# Altium PCB Remote.PcbDoc
Units mm, origin at the board's own origin, x right, y up, seen from the top; angles counter-clockwise.
Board outline 100 x 100 mm, 2 copper layers (Top Layer, Bottom Layer); 129 components, 75 nets, 386 pads, 218 vias.
Unrouted connection lines stored in the file: 69.
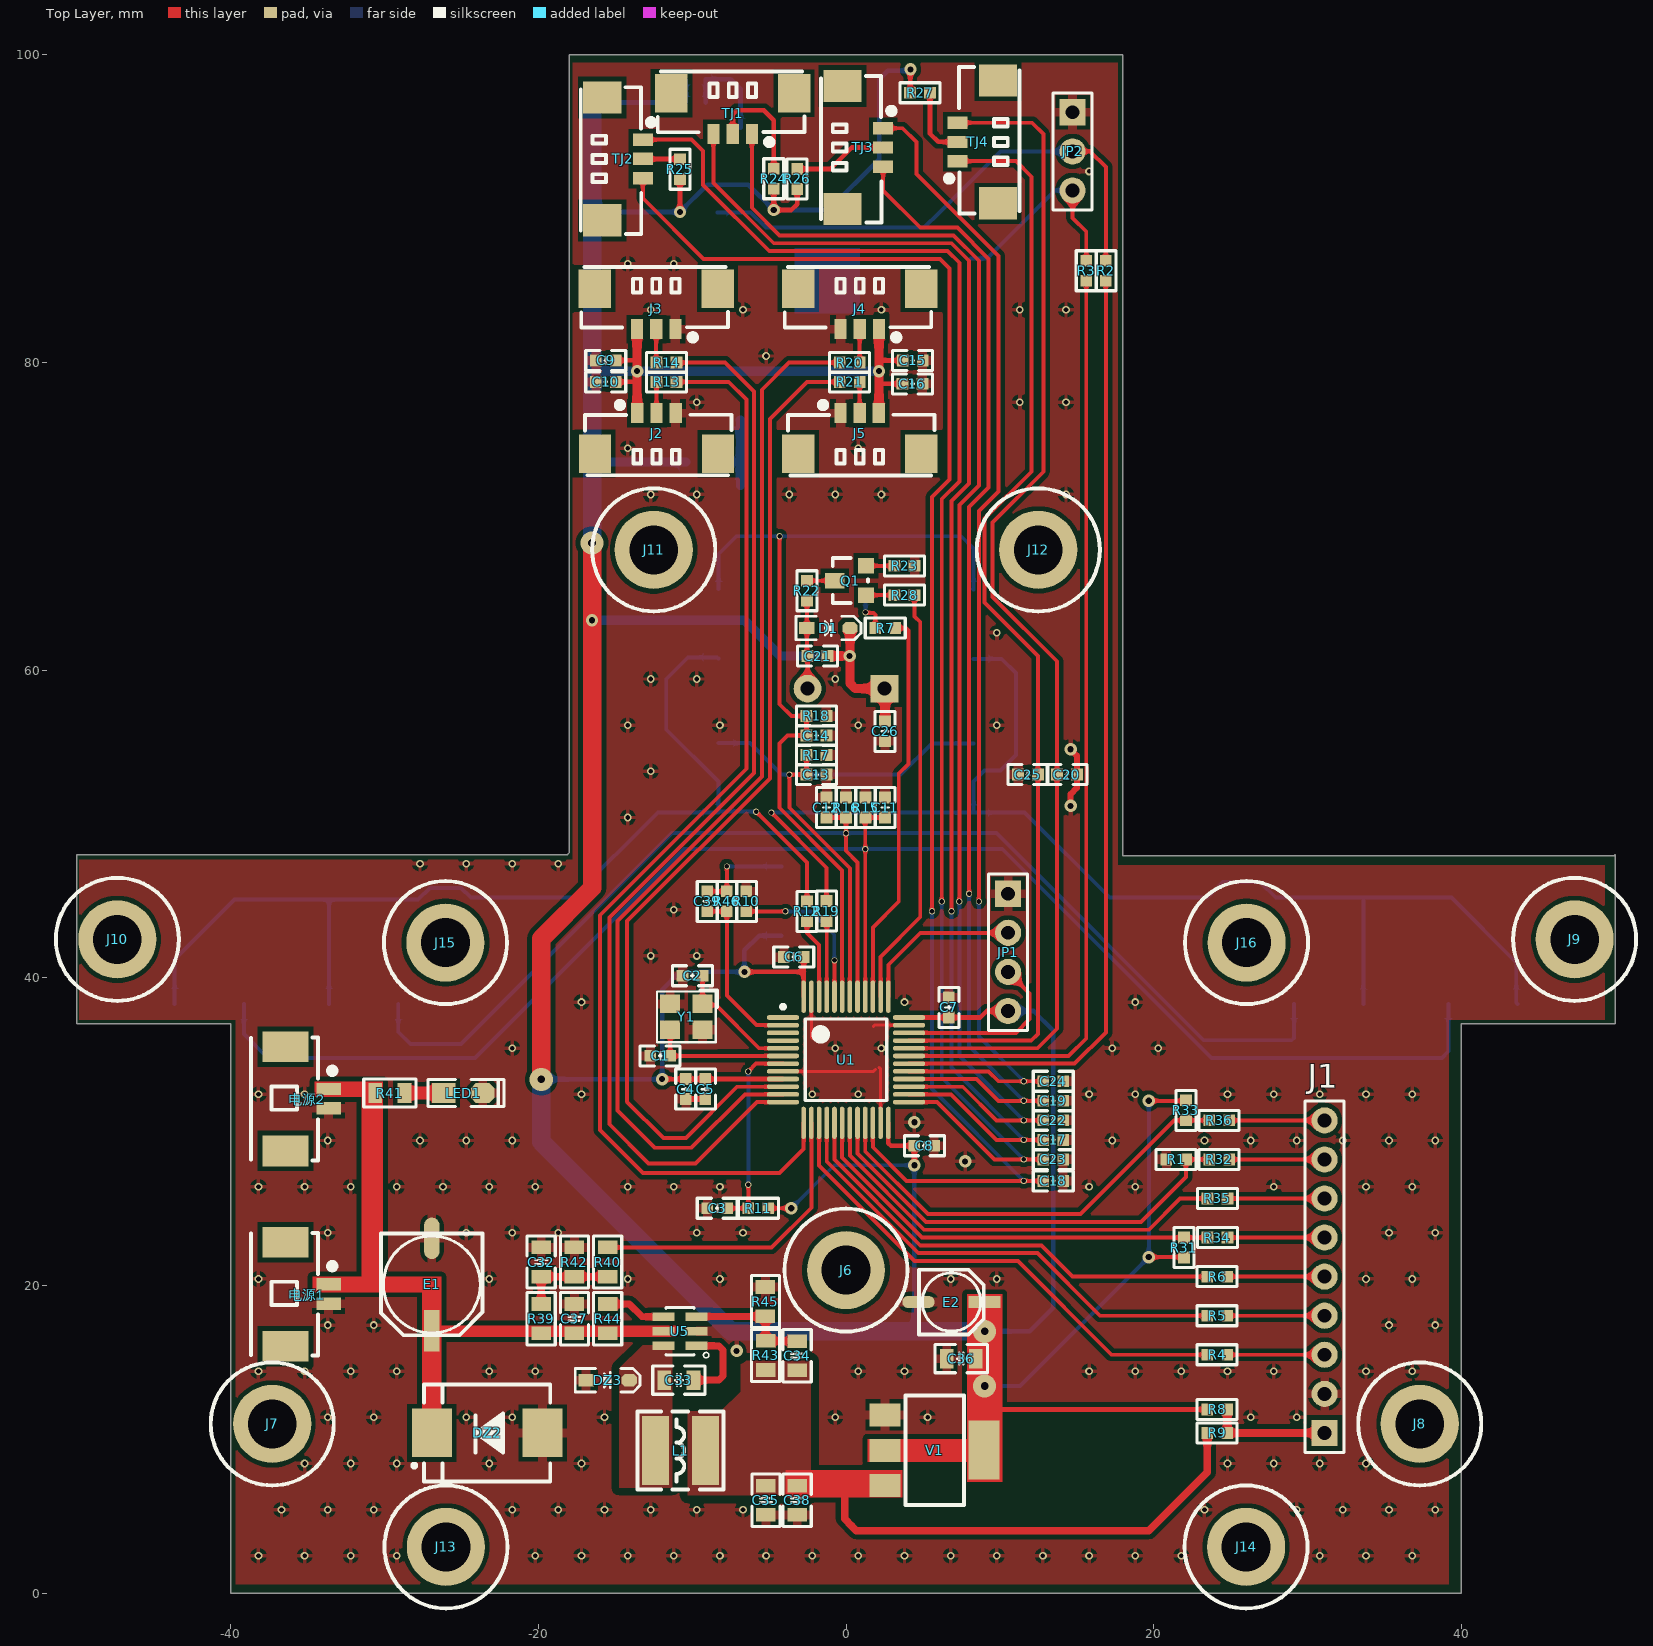
[diagram p0: Top Layer view]
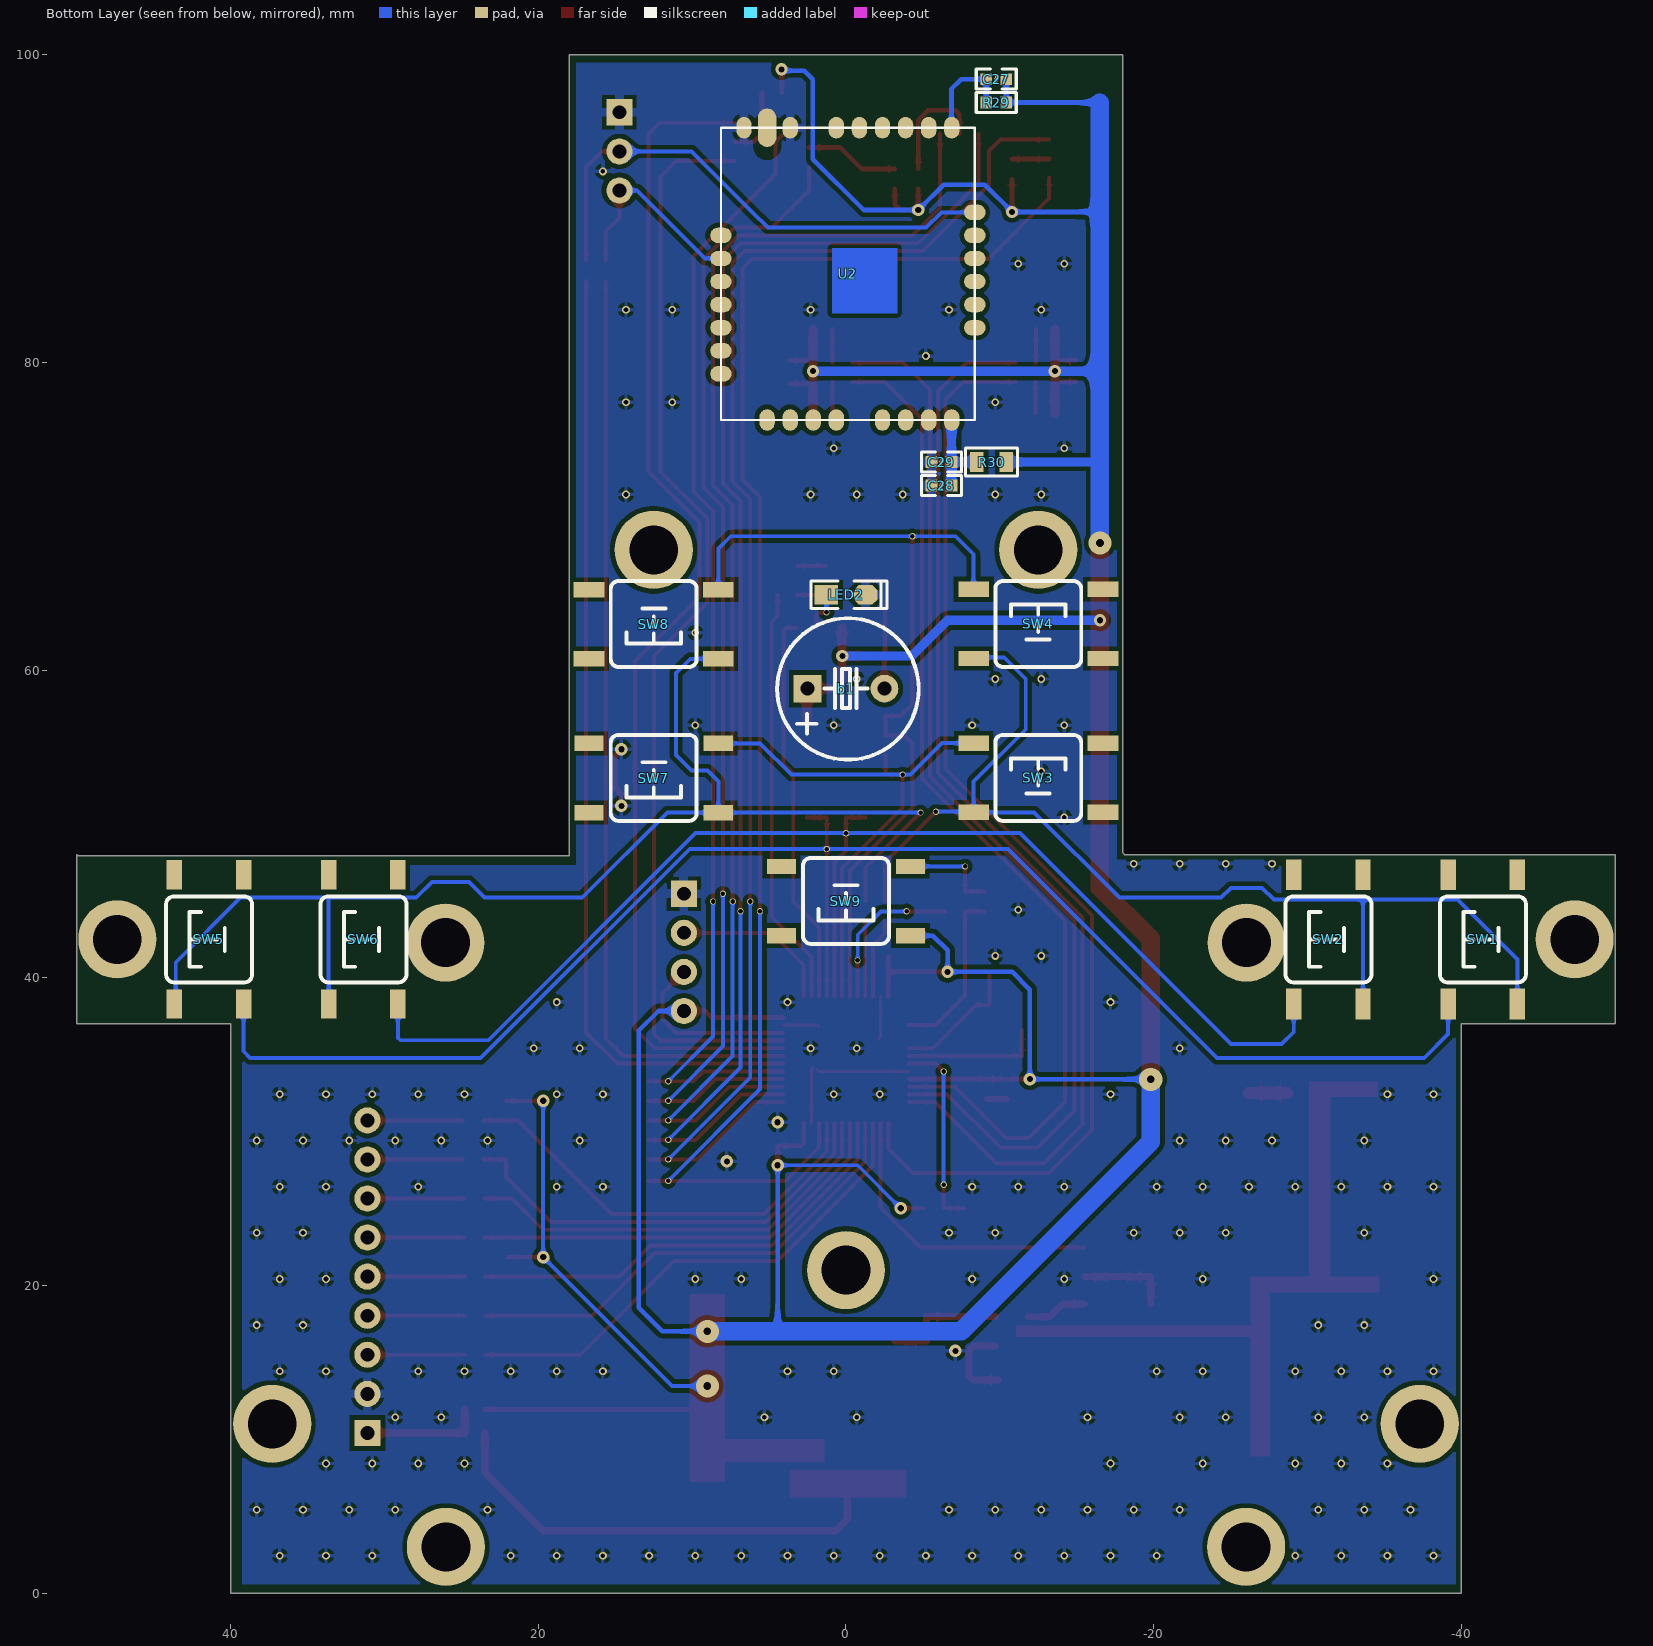
[diagram p1: Bottom Layer view, seen from below]

## Layer stack, top to bottom
Top Solder: solder mask 0.0102, Solder Resist, Dk 3.5
Top Layer: signal copper 0.0356
Dielectric 1: dielectric 0.32, FR-4, Dk 4.8
Bottom Layer: signal copper 0.0356
Bottom Solder: solder mask 0.0102, Solder Resist, Dk 3.5

## Board outline
-40,0 -40,37 -50,37 -50,48 -18.121,48 -18,48.121 -18,100 18,100 18,47.926 49.926,47.926 50,48 50,37 40,37 40,0

## Design rules (kind name [scope] priority, off if disabled: settings)
Clearance Clearance_31 [InNamedPolygon('NETC33_1_L01_P000')] p1: gap=0.5 ignorepadtopadclearanceinfootprint=FALSE
Clearance Clearance_30 [InNamedPolygon('5V_L01_P001')] p2: gap=0.5 ignorepadtopadclearanceinfootprint=FALSE
Clearance Clearance_29 [InNamedPolygon('tg')] p3: gap=0.3 ignorepadtopadclearanceinfootprint=FALSE
Clearance Clearance_28 [InNamedPolygon('tg')] p4: gap=0.3 ignorepadtopadclearanceinfootprint=FALSE
Clearance Clearance_27 [InNamedPolygon('tg')] p5: gap=0.4 ignorepadtopadclearanceinfootprint=FALSE
Clearance Clearance_26 [InNamedPolygon('tg')] p6: gap=0.254 ignorepadtopadclearanceinfootprint=FALSE
Clearance Clearance_25 [InNamedPolygon('tg')] p7: gap=0.3 ignorepadtopadclearanceinfootprint=FALSE
Clearance Clearance_24 [InNamedPolygon('tg')] p8: gap=0.5 ignorepadtopadclearanceinfootprint=FALSE
Clearance Clearance_23 [InNamedPolygon('tg')] p9: gap=0.3 ignorepadtopadclearanceinfootprint=FALSE
Clearance Clearance_22 [InNamedPolygon('tg')] p10: gap=0.4 ignorepadtopadclearanceinfootprint=FALSE
Clearance Clearance_21 [InNamedPolygon('GND_L02_P007')] p11: gap=0.5 ignorepadtopadclearanceinfootprint=FALSE
Clearance Clearance_20 [InNamedPolygon('GND_L01_P006')] p12: gap=0.5 ignorepadtopadclearanceinfootprint=FALSE
Clearance Clearance_19 [InNamedPolygon('GND_L01_P006')] p13: gap=0.8 ignorepadtopadclearanceinfootprint=FALSE
Clearance Clearance_18 [InNamedPolygon('GND_L01_P006')] p14: gap=0.5 ignorepadtopadclearanceinfootprint=FALSE
Clearance Clearance_17 [InNamedPolygon('GND_L01_P006')] p15: gap=0.3 ignorepadtopadclearanceinfootprint=FALSE
Clearance Clearance_16 [InNamedPolygon('GND_L01_P005')] p16: gap=0.27 ignorepadtopadclearanceinfootprint=FALSE
Clearance Clearance_15 [InNamedPolygon('GND_L01_P005')] p17: gap=0.26 ignorepadtopadclearanceinfootprint=FALSE
Clearance Clearance_14 [OnLayer('Mechanical 1')] p18: gap=5 ignorepadtopadclearanceinfootprint=FALSE
Clearance Clearance_13 [OnLayer('Keep-Out Layer')] p19: gap=5 ignorepadtopadclearanceinfootprint=FALSE
Clearance Clearance_12 [InNamedPolygon('GND_L01_P004')] p20: gap=0.26 ignorepadtopadclearanceinfootprint=FALSE
Clearance Clearance_11 [InNamedPolygon('GND_L01_P004')] p21: gap=0.3 ignorepadtopadclearanceinfootprint=FALSE
Clearance Clearance_10 [InNamedPolygon('3V3_ICM_L01_P002')] p22: gap=0.15 ignorepadtopadclearanceinfootprint=FALSE
Clearance Clearance_9 [InNamedPolygon('3V3_ICM_L01_P002')] p23: gap=0.2 ignorepadtopadclearanceinfootprint=FALSE
Clearance Clearance_8 [InNamedPolygon('GND_L01_P003')] p24: gap=0.3 ignorepadtopadclearanceinfootprint=FALSE
Clearance Clearance_7 [InNamedPolygon('GND_L01_P003')] p25: gap=0.254 ignorepadtopadclearanceinfootprint=FALSE
Clearance Clearance_6 [InNamedPolygon('GND_L01_P003')] p26: gap=0.2 ignorepadtopadclearanceinfootprint=FALSE
Clearance Clearance_5 [InNamedPolygon('3V3_ICM_L01_P002')] p27: gap=0.254 ignorepadtopadclearanceinfootprint=FALSE except(0: Arc-Hole Track-Hole SMDPad-Hole THPad-Hole Via-Hole Fill-Hole Poly-Hole Region-Hole Text-Hole)
Clearance Clearance_4 [InNamedPolygon('3V3_ICM_L01_P002')] p28: gap=0.2 ignorepadtopadclearanceinfootprint=FALSE
Clearance Clearance_3 [InNamedPolygon('3V3_ICM_L01_P002')] p29: gap=0.2 ignorepadtopadclearanceinfootprint=FALSE
Clearance Clearance_2 [InNamedPolygon('GND_L01_P003')] p30: gap=0.3 ignorepadtopadclearanceinfootprint=FALSE
Clearance Clearance_1 [InNamedPolygon('3V3_ICM_L01_P002')] p31: gap=0.2 ignorepadtopadclearanceinfootprint=FALSE
Clearance [All] p32: gap=0.1 ignorepadtopadclearanceinfootprint=FALSE
HoleSize [All] p1: absolutevalues=TRUE maxlimit=10 minlimit=0.025 maxpercent=80.000 minpercent=20.000
MinimumSolderMaskSliver [All] p1: minsoldermaskwidth=0.1
PlaneConnect [All] p1: planeconnectstyle=Direct reliefexpansion=0.508 reliefentries=4 reliefconductorwidth=0.254 reliefairgap=0.254
PolygonConnect PolygonConnect_21 [All vs IsNamedPolygon('tg')] p1: thpad.connectstyle=Relief thpad.reliefconductorwidth=0.6 thpad.reliefentries=4 thpad.polygonreliefangle="90 Angle" thpad.airgapwidth=0.254 smdpad.connectstyle=Relief smdpad.reliefconductorwidth=0.6 smdpad.reliefentries=4 smdpad.polygonreliefangle="90 Angle" smdpad.airgapwidth=0.254 via.connectstyle=Relief via.reliefconductorwidth=0.254 via.reliefentries=4 via.polygonreliefangle="90 Angle" via.airgapwidth=0.254
PolygonConnect PolygonConnect_20 [All vs IsNamedPolygon('tg')] p2: thpad.connectstyle=Relief thpad.reliefconductorwidth=0.8 thpad.reliefentries=4 thpad.polygonreliefangle="90 Angle" thpad.airgapwidth=0.254 smdpad.connectstyle=Relief smdpad.reliefconductorwidth=0.8 smdpad.reliefentries=4 smdpad.polygonreliefangle="90 Angle" smdpad.airgapwidth=0.254 via.connectstyle=Relief via.reliefconductorwidth=0.254 via.reliefentries=4 via.polygonreliefangle="90 Angle" via.airgapwidth=0.254
PolygonConnect PolygonConnect_19 [All vs IsNamedPolygon('5V_L01_P001')] p3: connectstyle=Direct reliefconductorwidth=0.254 reliefentries=4 polygonreliefangle="90 Angle" airgapwidth=0.254
PolygonConnect PolygonConnect_18 [All vs IsNamedPolygon('5V_L01_P001')] p4: connectstyle=Relief reliefconductorwidth=0.8 reliefentries=4 polygonreliefangle="90 Angle" airgapwidth=0.254
PolygonConnect PolygonConnect_17 [All vs IsNamedPolygon('tg')] p5: thpad.connectstyle=Relief thpad.reliefconductorwidth=0.6 thpad.reliefentries=4 thpad.polygonreliefangle="90 Angle" thpad.airgapwidth=0.254 smdpad.connectstyle=Relief smdpad.reliefconductorwidth=0.254 smdpad.reliefentries=4 smdpad.polygonreliefangle="90 Angle" smdpad.airgapwidth=0.254 via.connectstyle=Relief via.reliefconductorwidth=0.254 via.reliefentries=4 via.polygonreliefangle="90 Angle" via.airgapwidth=0.254
PolygonConnect PolygonConnect_16 [All vs IsNamedPolygon('tg')] p6: thpad.connectstyle=Relief thpad.reliefconductorwidth=0.4 thpad.reliefentries=4 thpad.polygonreliefangle="90 Angle" thpad.airgapwidth=0.254 smdpad.connectstyle=Relief smdpad.reliefconductorwidth=0.254 smdpad.reliefentries=4 smdpad.polygonreliefangle="90 Angle" smdpad.airgapwidth=0.254 via.connectstyle=Relief via.reliefconductorwidth=0.254 via.reliefentries=4 via.polygonreliefangle="90 Angle" via.airgapwidth=0.254
PolygonConnect PolygonConnect_15 [All vs IsNamedPolygon('5V_L01_P001')] p7: connectstyle=Direct reliefconductorwidth=0.254 reliefentries=4 polygonreliefangle="90 Angle" airgapwidth=0.254
PolygonConnect PolygonConnect_14 [All vs IsNamedPolygon('5V_L01_P001')] p8: thpad.connectstyle=Direct thpad.reliefconductorwidth=0.254 thpad.reliefentries=4 thpad.polygonreliefangle="90 Angle" thpad.airgapwidth=0.254 smdpad.connectstyle=Relief smdpad.reliefconductorwidth=0.254 smdpad.reliefentries=4 smdpad.polygonreliefangle="90 Angle" smdpad.airgapwidth=0.254 via.connectstyle=Relief via.reliefconductorwidth=0.254 via.reliefentries=4 via.polygonreliefangle="90 Angle" via.airgapwidth=0.254
PolygonConnect PolygonConnect_13 [All vs IsNamedPolygon('NETC33_1_L01_P000')] p9: connectstyle=Direct reliefconductorwidth=0.254 reliefentries=4 polygonreliefangle="90 Angle" airgapwidth=0.254
PolygonConnect PolygonConnect_12 [All vs IsNamedPolygon('NETC33_1_L01_P000')] p10: thpad.connectstyle=Direct thpad.reliefconductorwidth=0.254 thpad.reliefentries=4 thpad.polygonreliefangle="90 Angle" thpad.airgapwidth=0.254 smdpad.connectstyle=Relief smdpad.reliefconductorwidth=0.254 smdpad.reliefentries=4 smdpad.polygonreliefangle="90 Angle" smdpad.airgapwidth=0.254 via.connectstyle=Relief via.reliefconductorwidth=0.254 via.reliefentries=4 via.polygonreliefangle="90 Angle" via.airgapwidth=0.254
PolygonConnect PolygonConnect_11 [All vs IsNamedPolygon('NETC33_1_L01_P000')] p11: thpad.connectstyle=Direct thpad.reliefconductorwidth=0.254 thpad.reliefentries=4 thpad.polygonreliefangle="90 Angle" thpad.airgapwidth=0.254 smdpad.connectstyle=Relief smdpad.reliefconductorwidth=0.254 smdpad.reliefentries=4 smdpad.polygonreliefangle="90 Angle" smdpad.airgapwidth=0.254 via.connectstyle=Relief via.reliefconductorwidth=0.254 via.reliefentries=4 via.polygonreliefangle="90 Angle" via.airgapwidth=0.254
PolygonConnect PolygonConnect_10 [All vs IsNamedPolygon('NETC33_1_L01_P000')] p12: thpad.connectstyle=Direct thpad.reliefconductorwidth=0.254 thpad.reliefentries=4 thpad.polygonreliefangle="90 Angle" thpad.airgapwidth=0.254 smdpad.connectstyle=Relief smdpad.reliefconductorwidth=0.254 smdpad.reliefentries=4 smdpad.polygonreliefangle="90 Angle" smdpad.airgapwidth=0.254 via.connectstyle=Relief via.reliefconductorwidth=0.254 via.reliefentries=4 via.polygonreliefangle="90 Angle" via.airgapwidth=0.254
PolygonConnect PolygonConnect_9 [All vs IsNamedPolygon('GND_L02_P007')] p13: connectstyle=Direct reliefconductorwidth=0.254 reliefentries=4 polygonreliefangle="90 Angle" airgapwidth=0.254
PolygonConnect PolygonConnect_8 [All vs IsNamedPolygon('GND_L01_P006')] p14: connectstyle=Direct reliefconductorwidth=0.254 reliefentries=4 polygonreliefangle="90 Angle" airgapwidth=0.254
PolygonConnect PolygonConnect_7 [All vs IsNamedPolygon('GND_L01_P005')] p15: connectstyle=Direct reliefconductorwidth=0.254 reliefentries=4 polygonreliefangle="90 Angle" airgapwidth=0.254
PolygonConnect PolygonConnect_6 [All vs IsNamedPolygon('GND_L01_P004')] p16: connectstyle=Direct reliefconductorwidth=0.254 reliefentries=4 polygonreliefangle="90 Angle" airgapwidth=0.254
PolygonConnect PolygonConnect_5 [All vs IsNamedPolygon('GND_L01_P003')] p17: connectstyle=Direct reliefconductorwidth=0.254 reliefentries=4 polygonreliefangle="90 Angle" airgapwidth=0.254
PolygonConnect PolygonConnect_4 [All vs IsNamedPolygon('3V3_ICM_L01_P002')] p18: connectstyle=Direct reliefconductorwidth=0.254 reliefentries=4 polygonreliefangle="90 Angle" airgapwidth=0.254
PolygonConnect PolygonConnect_3 [All vs IsNamedPolygon('3V3_ICM_L01_P002')] p19: connectstyle=Direct reliefconductorwidth=0.254 reliefentries=4 polygonreliefangle="90 Angle" airgapwidth=0.254
PolygonConnect PolygonConnect_2 [All vs IsNamedPolygon('12V_L02_P001')] p20: connectstyle=Direct reliefconductorwidth=0.254 reliefentries=4 polygonreliefangle="90 Angle" airgapwidth=0.254
PolygonConnect PolygonConnect_1 [All vs IsNamedPolygon('12V_L01_P000')] p21: connectstyle=Direct reliefconductorwidth=0.254 reliefentries=4 polygonreliefangle="90 Angle" airgapwidth=0.254
PolygonConnect [All] p22: connectstyle=Relief reliefconductorwidth=0.254 reliefentries=4 polygonreliefangle="90 Angle" airgapwidth=0.254
RoutingVias [All] p1: holewidth=0.2 width=0.3 viastyle="Through Hole" minholewidth=0.15 minwidth=0.25 maxholewidth=0.711 maxwidth=1.27
SilkToSilkClearance [All] p1: silktosilkclearance=0
SilkToSolderMaskClearance [IsPad] p1: minsilkscreentomaskgap=0 clearancetoexposedcopper=TRUE
SolderMaskExpansion [All] p1: expansion=0.102 istentingtop=FALSE
Width [All] p1: maxlimit=10 minlimit=0.1 preferedwidth=0.254
25 further rules are at their usual default settings.

## Classes and differential pairs
component class POWER: C32 C33 C34 C35 C36 C37 C38 C39 DZ2 DZ3 E1 E2 L1 LED1 R39 R40 R41 R42 R43 R44 R45 R46 SW9 U5 V1 电源1 电源2
component class COMMUNICATION: C27 C28 C29 R29 R30 U2
component class INPUT: b1 C9 C10 C11 C12 C13 C14 C15 C16 C17 C18 C19 C20 C21 C22 C23 C24 C25 C26 D1 J2 J3 J4 J5 J6 J7 J8 J9 J10 J11 J12 J13 J14 J15 J16 Q1 R12 R13 R14 R15 R16 R17 R18 R19 R20 R21 R22 R23 R24 R25 R26 R27 R28 SW1 SW2 SW3 SW4 SW5 SW6 SW7 SW8 TJ1 TJ2 TJ3 TJ4
component class MCU: C1 C2 C3 C4 C5 C6 C7 C8 J1 JP1 JP2 LED2 R1 R2 R3 R4 R5 R6 R7 R8 R9 R10 R11 R31 R32 R33 R34 R35 R36 U1 Y1

## Components (designator, comment, footprint, x,y, rotation, side; value= is the part's Value field where it differs from the comment)
b1 "BELL" "BEEP 5x9x5.5" 0,58.801 r270 bottom locked
C1 "22pF" "C 0603_L" -12.08,34.925 r0 top
C2 "22pF" "C 0603_L" -9.98,40.132 r0 top
C3 "100nF" "C 0603_L" -8.372,25.019 r180 top
C4 "4.7uF" "C 0603_L" -10.414,32.766 r270 top
C5 "100nF" "C 0603_L" -9.144,32.766 r270 top
C6 "100nF" "C 0603_L" -3.4,41.358 r180 top
C7 "100nF" "C 0603_L" 6.687,38.071 r90 top
C8 "100nF" "C 0603_L" 5.095,29.083 r0 top
C9 "100nF" "C 0603_L" -15.621,80.137 r180 top
C10 "100nF" "C 0603_L" -15.621,78.74 r0 top
C11 "100nF" "C 0603_L" 2.54,51.069 r270 top
C12 "100nF" "C 0603_L" -1.27,51.069 r270 top
C13 "100nF" "C 0603_L" -1.92,53.213 r180 top
C14 "100nF" "C 0603_L" -1.92,55.753 r180 top
C15 "100nF" "C 0603_L" 4.333,80.137 r0 top
C16 "100nF" "C 0603_L" 4.318,78.613 r180 top
C17 "100nF" "C 0603_L" 13.477,29.464 r0 top
C18 "100nF" "C 0603_L" 13.477,26.797 r0 top
C19 "100nF" "C 0603_L" 13.477,32.004 r0 top
C20 "100nF" "C 0603_L" 14.366,53.213 r0 top
C21 "100nF" "C 0603_L" -1.85,60.92 r0 top
C22 "100nF" "C 0603_L" 13.477,30.734 r0 top
C23 "100nF" "C 0603_L" 13.477,28.194 r0 top
C24 "100nF" "C 0603_L" 13.477,33.274 r0 top
C25 "100nF" "C 0603_L" 11.826,53.213 r180 top
C26 "100nF" "C 0603_L" 2.54,56.022 r90 top
C27 "100nF" "C 0603_L" -9.764,98.425 r0 bottom
C28 "100nF" "C 0603_L" -6.208,72.004 r180 bottom
C29 "100uF" "C 0603_L" -6.208,73.533 r180 bottom
C32 "100nF" "C 0805_L" -19.812,21.524 r270 top
C33 "100nF" "C 0805_L" -10.861,13.843 r0 top
C34 "100pF" "C 0805_L" -3.175,15.428 r270 top
C35 "22uF" "C 0805_L" -5.207,6.035 r90 top
C36 "22uF" "C 0805_L" 7.493,15.24 r0 top
C37 "10uF" "C 0805_L" -17.653,17.841 r270 top
C38 "10uF" "C 0805_L" -3.175,6.035 r90 top
C39 "100nF" "C 0603_L" -9.017,44.973 r270 top
D1 "B5819WS" SOD-323 -1.14,62.738 r0 top
DZ2 "SMDJ15A" SMC -23.324,10.414 r180 top
DZ3 "B5819WS" SOD-323 -15.497,13.843 r0 top
E1 "47uF/30V" "CM D(6.3*7.7)" -26.924,20.066 r270 top
E2 "47uF/10V" "CM B(4*5.4)" 6.858,18.923 r0 top
J1 "CON9" HDR2.54-Y-LI-9P 31.115,20.574 r90 top
J2 "TJC3-3Y" "MX 1.25-LS-3P" -16.058,74.447 r0 top locked
J3 "TJC3-3Y" "MX 1.25-LS-3P" -8.6,84.43 r180 top locked
J4 "TJC3-3Y" "MX 1.25-LS-3P" 4.628,84.43 r180 top locked
J5 "TJC3-3Y" "MX 1.25-LS-3P" -2.85,74.447 r0 top locked
J6 "CON1" M3x5+6_L 0,21 r0 top locked
J7 "CON1" M3x5+6_L -37.3,11 r0 top locked
J8 "CON1" M3x5+6_L 37.3,11 r0 top locked
J9 "CON1" M3x5+6_L 47.371,42.5 r0 top locked
J10 "CON1" M3x5+6_L -47.371,42.5 r0 top locked
J11 "CON1" M3x5+6_L -12.5,67.822 r0 top locked
J12 "CON1" M3x5+6_L 12.5,67.822 r0 top locked
J13 "CON1" M3x5+6_L -26.005,3 r0 top locked
J14 "CON1" M3x5+6_L 26.005,3 r0 top locked
J15 "CON1" M3x5+6_L -26.038,42.291 r0 top locked
J16 "CON1" M3x5+6_L 26.038,42.291 r0 top locked
JP1 "HDR-1X4" HDR2.54-LI-4P 10.541,41.656 r270 top
JP2 "HDR-1X3" HDR2.54-LI-3P 14.732,93.726 r270 top
L1 "6.8uH" CD42 -10.769,9.271 r0 top
LED1 "红色" "LED 0805R" -24.892,32.512 r0 top
LED2 "红色" "LED 0805G" 0,64.897 r180 bottom locked
Q1 "2N7002" SOT-23 1.316,64.752 r90 top
R1 "10K" "R 0603_L" 21.463,28.194 r180 top
R2 "47R" "R 0603_L" 16.891,85.964 r90 top
R3 "47R" "R 0603_L" 15.621,85.964 r90 top
R4 "0R" "R 0603_L" 24.13,15.494 r0 top
R5 "0R" "R 0603_L" 24.13,18.034 r0 top
R6 "0R" "R 0603_L" 24.13,20.574 r0 top
R7 "" "R 0603_L" 2.555,62.738 r180 top
R8 "0R" "R 0603_L" 24.13,11.938 r180 top
R9 "0R" "R 0603_L" 24.13,10.414 r180 top
R10 "10K" "R 0603_L" -6.477,44.973 r270 top
R11 "10K" "R 0603_L" -5.7,25.019 r0 top
R12 "10K" "R 0603_L" -2.54,44.323 r270 top
R13 "" "R 0603_L" -11.669,78.74 r0 top
R14 "" "R 0603_L" -11.669,79.995 r0 top
R15 "10K" "R 0603_L" 1.27,51.069 r90 top
R16 "10K" "R 0603_L" 0,51.069 r90 top
R17 "10K" "R 0603_L" -1.92,54.483 r0 top
R18 "10K" "R 0603_L" -1.92,57.023 r0 top
R19 "10K" "R 0603_L" -1.27,44.338 r270 top
R20 "" "R 0603_L" 0.239,79.995 r180 top
R21 "" "R 0603_L" 0.239,78.74 r180 top
R22 "" "R 0603_L" -2.54,65.166 r90 top
R23 "10K" "R 0603_L" 3.804,66.781 r180 top
R24 "" "R 0603_L" -4.699,91.948 r270 top
R25 "" "R 0603_L" -10.795,92.568 r270 top
R26 "" "R 0603_L" -3.175,91.933 r270 top
R27 "" "R 0603_L" 4.811,97.536 r180 top
R28 "1K" "R 0603_L" 3.804,64.876 r180 top
R29 "1K" "R 0603_L" -9.764,96.901 r180 bottom
R30 "600Ω 100Mhz" "R 0805_L" -9.459,73.533 r0 bottom
R31 "10k" "R 0603_L" 21.971,22.464 r90 top
R32 "0R" "R 0603_L" 24.257,28.194 r0 top
R33 "10k" "R 0603_L" 22.098,31.384 r270 top
R34 "0R" "R 0603_L" 24.145,23.114 r0 top
R35 "0R" "R 0603_L" 24.145,25.654 r0 top
R36 "0R" "R 0603_L" 24.257,30.734 r180 top
R39 "1.8k" "R 0805_L" -19.812,17.841 r270 top
R40 "0R" "R 0805_L" -15.494,21.524 r90 top